# KiCad board control.kicad_pcb (continued)
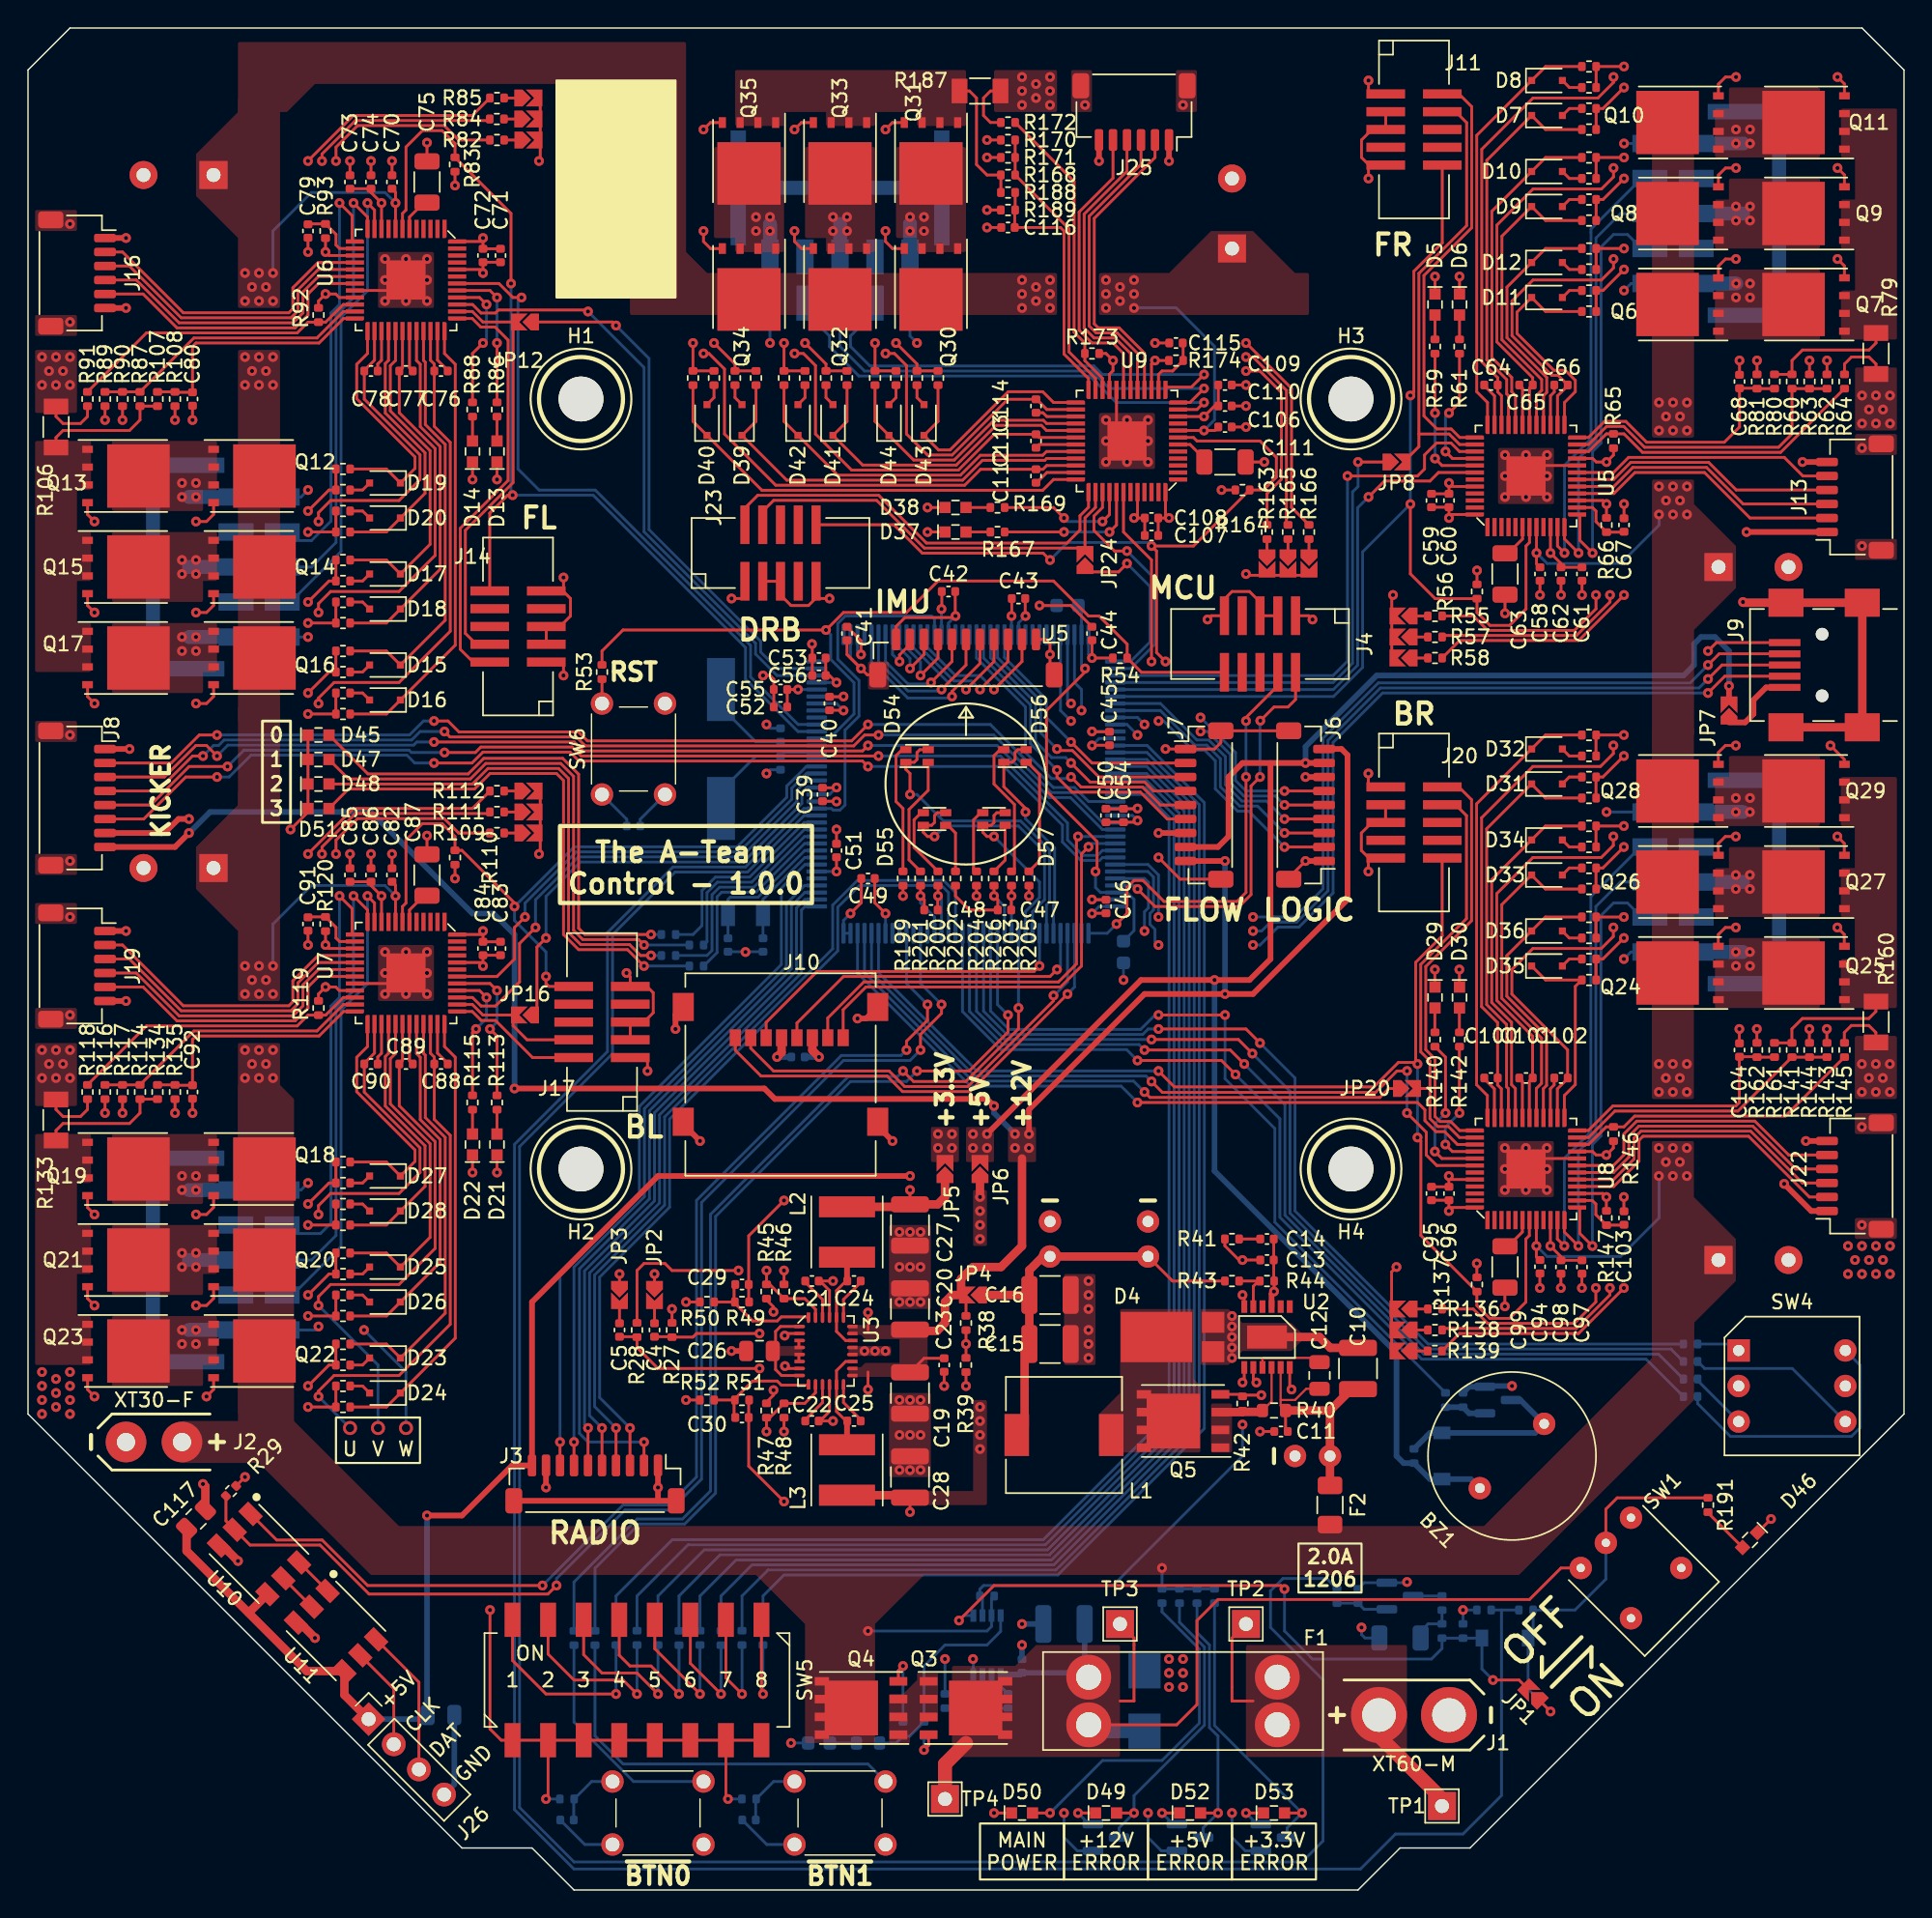
[diagram p0: board, top side]
## Nets (continued)
Net-(D34-Pad1): D34.1 R154.1 U8.32
Net-(D34-Pad2): D34.2 R155.1
Net-(D35-Pad1): D35.1 R157.1 U8.25
Net-(D35-Pad2): D35.2 R156.1
Net-(D36-Pad1): D36.1 R158.1 U8.28
Net-(D36-Pad2): D36.2 R159.1
Net-(D37-Pad2): D37.2 R167.2
Net-(D38-Pad2): D38.2 R169.2
Net-(D39-Pad1): D39.1 R176.1 U9.33
Net-(D39-Pad2): D39.2 R175.1
Net-(D40-Pad1): D40.1 R177.1 U9.36
Net-(D40-Pad2): D40.2 R178.1
Net-(D41-Pad1): D41.1 R180.1 U9.29
Net-(D41-Pad2): D41.2 R179.1
Net-(D42-Pad1): D42.1 R181.1 U9.32
Net-(D42-Pad2): D42.2 R182.1
Net-(D43-Pad1): D43.1 R184.1 U9.25
Net-(D43-Pad2): D43.2 R183.1
Net-(D44-Pad1): D44.1 R185.1 U9.28
Net-(D44-Pad2): D44.2 R186.1
Net-(D45-Pad2): D45.2 R190.2
Net-(D46-Pad2): D46.2 R191.2
Net-(D47-Pad2): D47.2 R193.2
Net-(D48-Pad2): D48.2 R194.2
Net-(D49-Pad2): D49.2 Q36.3 R192.2
Net-(D50-Pad2): D50.2 R195.2
Net-(D51-Pad2): D51.2 R196.2
Net-(D52-Pad2): D52.2 Q37.3 R197.2
Net-(D53-Pad2): D53.2 Q38.3 R198.2
Net-(D54-Pad2): D54.2 R201.1
Net-(D54-Pad4): D54.4 R199.2
Net-(D55-Pad2): D55.2 R202.1
Net-(D55-Pad4): D55.4 R200.2
Net-(D56-Pad2): D56.2 R205.1
Net-(D56-Pad4): D56.4 R203.2
Net-(D57-Pad2): D57.2 R206.1
Net-(D57-Pad4): D57.4 R204.2
Net-(J9-Pad1): J9.1 JP7.1
Net-(JP9-Pad1): JP9.1 R55.1
Net-(JP10-Pad1): JP10.1 R57.1
Net-(JP11-Pad1): JP11.1 R58.1
Net-(JP13-Pad1): JP13.1 R82.1
Net-(JP14-Pad1): JP14.1 R84.1
Net-(JP15-Pad1): JP15.1 R85.1
Net-(JP17-Pad1): JP17.1 R109.1
Net-(JP18-Pad1): JP18.1 R111.1
Net-(JP19-Pad1): JP19.1 R112.1
Net-(JP21-Pad1): JP21.1 R136.1
Net-(JP22-Pad1): JP22.1 R138.1
Net-(JP23-Pad1): JP23.1 R139.1
Net-(JP25-Pad1): JP25.1 R163.1
Net-(JP26-Pad1): JP26.1 R165.1
Net-(JP27-Pad1): JP27.1 R166.1
Net-(Q1-Pad1): Q1.1 R22.2 R24.2
Net-(Q2-Pad1): Q2.1 R25.2 R26.1
Net-(Q2-Pad3): Q2.3 R23.2
Net-(Q3-Pad1): Q3.1 Q3.2 Q3.3 Q4.1 Q4.2 Q4.3
Net-(Q3-Pad4): Q3.4 R34.1
Net-(Q4-Pad4): Q4.4 R35.2
Net-(Q5-Pad4): Q5.4 R42.2 U2.12
Net-(Q6-Pad4): Q6.4 R75.2 R76.2
Net-(Q7-Pad4): Q7.4 R77.2 R78.2
Net-(Q8-Pad4): Q8.4 R71.2 R72.2
Net-(Q9-Pad4): Q9.4 R73.2 R74.2
Net-(Q10-Pad4): Q10.4 R67.2 R68.2
Net-(Q11-Pad4): Q11.4 R69.2 R70.2
Net-(Q12-Pad4): Q12.4 R102.2 R103.2
Net-(Q13-Pad4): Q13.4 R104.2 R105.2
Net-(Q14-Pad4): Q14.4 R98.2 R99.2
Net-(Q15-Pad4): Q15.4 R100.2 R101.2
Net-(Q16-Pad4): Q16.4 R94.2 R95.2
Net-(Q17-Pad4): Q17.4 R96.2 R97.2
Net-(Q18-Pad4): Q18.4 R129.2 R130.2
Net-(Q19-Pad4): Q19.4 R131.2 R132.2
Net-(Q20-Pad4): Q20.4 R125.2 R126.2
Net-(Q21-Pad4): Q21.4 R127.2 R128.2
Net-(Q22-Pad4): Q22.4 R121.2 R122.2
Net-(Q23-Pad4): Q23.4 R123.2 R124.2
Net-(Q24-Pad4): Q24.4 R156.2 R157.2
Net-(Q25-Pad4): Q25.4 R158.2 R159.2
Net-(Q26-Pad4): Q26.4 R152.2 R153.2
Net-(Q27-Pad4): Q27.4 R154.2 R155.2
Net-(Q28-Pad4): Q28.4 R148.2 R149.2
Net-(Q29-Pad4): Q29.4 R150.2 R151.2
Net-(Q30-Pad4): Q30.4 R183.2 R184.2
Net-(Q31-Pad4): Q31.4 R185.2 R186.2
Net-(Q32-Pad4): Q32.4 R179.2 R180.2
Net-(Q33-Pad4): Q33.4 R181.2 R182.2
Net-(Q34-Pad4): Q34.4 R175.2 R176.2
Net-(Q35-Pad4): Q35.4 R177.2 R178.2
Net-(R5-Pad1): R5.1 SW2.2
Net-(R6-Pad1): R6.1 SW3.2
Net-(R9-Pad2): R9.2 SW4.6
Net-(R10-Pad2): R10.2 SW4.3
Net-(R11-Pad2): R11.2 SW4.4
Net-(R12-Pad2): R12.2 SW4.1
Net-(R13-Pad2): R13.2 SW5.16
Net-(R14-Pad2): R14.2 SW5.15
Net-(R15-Pad2): R15.2 SW5.14
Net-(R16-Pad2): R16.2 SW5.13
Net-(R17-Pad2): R17.2 SW5.12
Net-(R18-Pad2): R18.2 SW5.11
Net-(R19-Pad2): R19.2 SW5.10
Net-(R20-Pad2): R20.2 SW5.9
Net-(R30-Pad2): R30.2 R31.1
Net-(R31-Pad2): R31.2 R32.1 U1.2
Net-(R32-Pad2): R32.2 R33.2 U1.3
Net-(R34-Pad2): R34.2 R35.1 R37.1 U1.8
Net-(R43-Pad2): R43.2 R44.1 U2.5
Net-(R53-Pad1): R53.1 SW6.2
Net-(R59-Pad1): R59.1 U5.41
Net-(R60-Pad2): R60.2 R62.2 R63.1 U5.23
Net-(R61-Pad1): R61.1 U5.40
Net-(R64-Pad2): R64.2 R65.1 U5.22
Net-(R86-Pad1): R86.1 U6.41
Net-(R87-Pad2): R87.2 R89.2 R90.1 U6.23
Net-(R88-Pad1): R88.1 U6.40
Net-(R91-Pad2): R91.2 R92.1 U6.22
Net-(R113-Pad1): R113.1 U7.41
Net-(R114-Pad2): R114.2 R116.2 R117.1 U7.23
Net-(R115-Pad1): R115.1 U7.40
Net-(R118-Pad2): R118.2 R119.1 U7.22
Net-(R140-Pad1): R140.1 U8.41
Net-(R141-Pad2): R141.2 R143.2 R144.1 U8.23
Net-(R142-Pad1): R142.1 U8.40
Net-(R145-Pad2): R145.2 R146.1 U8.22
Net-(R167-Pad1): R167.1 U9.41
Net-(R168-Pad2): R168.2 R170.2 R171.1 U9.23
Net-(R169-Pad1): R169.1 U9.40
Net-(R172-Pad2): R172.2 R173.1 U9.22
Net-(U10-Pad5): U10.5 U11.2
Net-(U10-Pad6): U10.6 U11.1

Pads without a net: J4 6 7 8; J11 6 7 8; J12 7 9 MP; J14 6 7 8; J15 7 9 MP; J17 6 7 8; J18 7 9 MP; J20 6 7 8; J21 7 9 MP; J23 6 7 8; J24 7 9 MP; SW2 4; SW3 4; SW6 4; U2 1 2 4; U4 5 22 28 29 36 37 40 53 54 55 63 64 65 66 67 110 132 134 136 137; U5 1 2 3 4 5 9 43 45 46 47; U6 1 2 3 4 5 9 43 45 46 47; U7 1 2 3 4 5 9 43 45 46 47; U8 1 2 3 4 5 9 43 45 46 47; U9 1 2 3 4 5 9 43 45 46 47

## Via types
v1: diameter 0.7, hole 0.3, Top to Bottom, 842 vias
v2: diameter 1, hole 0.6, Top to Bottom, 3 vias

## Routing (per net, layer and track width the routed paths; a pad name or vN(x,y) marks a point on that pad's centre or on a via; arc(x,y) is an arc through that point)
+3.3V: length 303.7
  Top w0.2: R170.1 v1(68.5,125) ; v1(71.25,91) 71.23,91.02 C43.1 ; C61.1 C62.1 109.5,94.75 v1(108.75,95.5) U5.10 ; C107.1 C108.1 81.25,98 ; v1(97.5,92.5) 97.41,92.41 97.41,88 ; C49.1 59.52,70.52 v1(58.75,69.75) ; 81.25,98 U9.48 ; 81.25,98 v1(81.5,98) ; JP23.2 JP22.2 JP21.2 97.4,44.15 v1(97.75,44.5) ; R189.1 v1(68.5,120) ; v1(50,6.5) 49.85,6.65 SW5.7 ; v1(95.74,79.75) 95.74,79 95.95,78.79 96.97,78.79 ; C73.1 C74.1 24.5,121.25 v1(25.25,120.5) U6.10 ; 101.49,48.75 101.49,49.27 100.24,49.27 ; 101.49,48.75 v1(101.49,48.5) ; 101.49,48.75 103.34,48.75 ; v1(95.75,129.25) 95.75,128.5 95.96,128.29 J11.1 ; R205.2 v1(71.5,71) ; v1(33,20) 33,11.5 33.8,10.7 SW5.1 SW5.2 ; C109.1 C110.1 84.75,106 v1(84,105.25) U9.10 ; J23.1 51.21,92.46 51,92.25 v1(50.25,92.25) ; JP15.2 JP14.2 36.59,123.59 v1(36.5,123.5) ; 123.49,60.51 v1(123.49,61.5) ; R54.2 v1(76,88) C44.1 ; C50.1 C54.1 79.13,76.27 v1(79.25,76.39) ; v1(85.25,100) R164.1 ; v1(55,85.75) C55.1 C52.1 ; C85.1 C86.1 24.5,71.75 v1(25.25,71) U7.10 ; 110.99,44.98 109.49,44.98 109.49,45.25 v1(108.74,46) 108.74,47.85 ; R202.2 66.25,71 67.25,70 C47.1 69.27,70.73 v1(69,71) R206.2 ; 101.5,98.25 v1(101.5,98) ; 101.5,98.25 U5.48 ; 101.5,98.25 C60.1 C59.1 ; v1(103.49,44.75) 103.49,43.76 ; R81.1 v1(123.5,109.25) ; J17.1 44.04,59.46 44.25,59.25 v1(44.25,58.5) ; SW5.2 SW5.3 SW5.4 SW5.5 SW5.6 SW5.7 ; SW5.2 37.15,6.65 v1(37,6.5) ; C48.1 64.02,70.73 v1(63.75,71) R201.2 ; v1(87,94) 87.09,93.91 91.5,93.91 ; 32.5,117.75 C72.1 C71.1 ; 32.5,117.75 v1(32.5,118) ; 32.5,117.75 U6.48 ; v1(57.75,78.75) 57.73,78.73 C39.1 ; v1(38.25,86.75) 38.25,87.5 38.04,87.71 J14.1 ; J5.11 62,90.25 62.64,90.89 66.14,90.89 v1(66.25,91) 66.23,91.02 C42.1 ; R116.1 v1(5.5,55.5) ; 32.5,68.25 C84.1 C83.1 ; 32.5,68.25 v1(32.5,68.5) ; 32.5,68.25 U7.48 ; 128.49,60.51 v1(128.49,61.5) ; 36.59,78.5 36.59,74.09 v1(36.5,74) ; R89.1 v1(5.5,105) ; v1(103.5,94.25) R56.1 ; v1(76,81.75) 76.02,81.77 C45.1 ; R135.1 v1(10.5,55.5) ; v1(59.5,88.25) 59.5,89.23 C41.1 ; v1(57.75,86.25) 57.25,86.75 C56.1 C53.1 ; C51.1 v1(57.75,72.75) ; v1(58.25,84.25) 58.23,84.27 C40.1 ; v1(76,69.75) 76.02,69.77 C46.1 ; R108.1 v1(10.5,105) ; v1(91.75,90.75) 91.48,91.02 J4.1 ; SW5.8 SW5.7 ; v1(30.5,72.25) R110.1 ; R62.1 v1(128.5,109.25) ; v1(30.5,121.75) R83.1
  Top w0.4: v1(125.44,50.44) 127.38,48.5 128.49,48.5 ; J6.7 v1(91.25,79.5) ; v1(122.75,97) J13.1 ; J19.1 v1(7,68.5) ; J7.7 v1(80.75,75.5) ; J3.9 v1(37,28.75) ; J8.7 9.75,75.5 10.75,76.5 v1(11.5,76.5) ; J16.1 v1(7,118) ; J25.1 v1(81.5,123.5)
  Top w0.6: v1(53.5,59.5) 53.83,59.83 J10.4
  In2.Cu w0.2: 23,44.5 23,41.5 21.75,40.25 v1(20.75,40.25) ; 128,36 SW4.C ; 128,36 SW4.C ; 128,36 128,45 ; v1(33,20) 33,44.5
  In2.Cu w0.4: v1(37,28.75) 37,44.25
  Bottom w0.2: v1(59.5,88.25) 59.25,88.5 U4.39 ; v1(112.75,77) 116.83,77 ; U4.33 v1(57.75,86.25) ; v1(71.25,91) 70.75,90.5 U4.62 ; v1(66.25,91) 65.75,90.5 U4.52 ; 17.16,40 20.5,40 v1(20.75,40.25) ; v1(20,89.5) 17.16,89.5 ; v1(69,71) 69.75,70.25 U4.121 ; U4.32 v1(55,85.75) ; v1(53,110.5) 53,113.34 ; U4.131 64.75,69.5 63.75,70.5 v1(63.75,71) ; U4.6 v1(57.75,72.75) ; v1(79.25,76.39) 78.89,76.75 U4.95 ; U4.17 57.25,78.25 v1(57.75,78.75) ; v1(76,88) 75.75,88.25 U4.72 ; U4.108 76.5,70.25 v1(76,69.75) ; v1(76,81.75) 76.5,82.25 U4.84 ; U4.143 U4.144 58.25,69.25 v1(58.75,69.75) ; U4.30 57.75,84.75 v1(58.25,84.25) ; R1.2 v1(37,6.5) ; v1(114,124.75) 116.84,124.75 ; R2.2 v1(50,6.5)
  Bottom w0.4: C38.1 v1(53.5,59.5)
  vias: v1(65,54) v1(65,53) v1(66,54) v1(66,53)
+5V: length 237.9
  Top w0.4: J7.8 85,74.5 85.75,75.25 85.75,79.5 86.75,80.5 v1(91.25,80.5) J6.8 ; v1(28.5,26.75) 31,26.75 34.58,30.32 J3.10 36,42 45,51 v1(63,51) ; v1(68.5,54) 79.5,65 87.25,65 88.75,66.5 88.75,80.5 ; JP7.2 v1(121.5,86)
  Top w0.6: J26.1 22.6,13.93 U11.4 19.91,15.64 11.33,24.22 C117.2 ; 15.78,19.81 U10.4
  In2.Cu w0.4: v1(67.5,53) 67.5,52.75 65.75,51 v1(63,51)
  Bottom w0.4: v1(84.75,65) 84.75,51.36 97.75,38.36 97.75,31 98.26,30.49 R21.2 100.14,29.35 D3.1 103.05,29.35 BZ1.1 ; v1(121.5,86) 121.5,88.5 120.5,89.5 119.5,89.5 119,89 119,87.5 118.25,86.75 96.33,86.75 91.25,81.67 v1(91.25,80.5) ; J26.1 28.25,12.2 C118.2 28.5,12.55 v1(28.5,26.75)
  vias: v1(67.5,54) v1(68.5,53)
+12V: length 178.5
  Top w0.2: 52.75,42.15 53.25,41.65 v1(53.25,41.3) ; JP4.2 67,42.15 R38.2 ; v1(53.25,35.7) 53.25,35.35 52.75,34.85 ; C19.1 64,37.98 C23.1 ; v1(60,41.25) 60,40 ; v1(60,35.75) 60,37
  Top w0.4: v1(69,56) 68.5,56.5 53.35,56.5 52.6,57.25 v1(34.75,57.25) ; J8.8 10.5,74.5 v1(11.5,75.5) ; J6.9 93.82,81.5 94.25,81.07 94.25,70.75 87.5,64 v1(85.5,64) 79.75,64 71.5,55.75 v1(71.5,54) ; J7.9 v1(85.5,73.5)
  Top w0.6: 71,52.25 71,46 69.5,44.5 67.5,44.5 66.65,43.65 JP4.2 66,42.5 65.5,42 65.5,40.5 64.94,39.94 63,39.94
  In2.Cu w0.2: v1(60,41.25) 53.3,41.25 v1(53.25,41.3) ; v1(53.25,35.7) 53.3,35.75 v1(60,35.75)
  Bottom w0.4: v1(34.75,57.25) 34.75,68.25 33.25,69.75 31.75,69.75 24.5,77 13,77 v1(11.5,75.5) ; v1(70.5,54) 69,55.5 v1(69,56) ; v1(85.5,73.5) v1(85.5,64)
  vias: v1(70.5,53) v1(71.5,53)
GND: length 402.4
  Top w0.2: v1(84.25,90.75) 84.52,91.02 J4.9 85.46,92.21 86,92.75 87.25,92.75 88,92 J4.5 J4.3 ; J17.3 J17.5 44,62 44.66,62.66 44.66,64.09 44.21,64.54 J17.9 43.02,65.23 v1(42.75,65.5) ; J7.MP 82.3,72.2 v1(80.75,73.75) ; C56.2 C53.2 56.02,88.98 v1(56,89) ; U6.20 26.25,114.25 ; v1(70.25,91) 70.27,91.02 C43.2 ; C92.2 v1(11.75,55.5) ; C70.2 v1(26,123.5) ; 127.24,60.51 v1(127.24,61.5) ; 32.5,66.25 C84.2 C83.2 ; 32.5,66.25 U7.44 ; 32.5,66.25 v1(32.5,66) ; C58.2 v1(108,92.5) ; U5.20 107.75,101.75 ; C62.2 v1(109.5,92.5) ; C107.2 C108.2 79.25,98 ; R118.1 4.25,55.75 3.75,55.25 2.5,55.25 2,55.75 R133.2 ; 96.97,77.52 96.97,76.25 95.99,76.25 95.24,75.5 95.24,74.25 95.78,73.71 96.97,73.71 95.95,73.71 95.74,73.5 v1(95.74,72.75) ; D22.1 v1(31.75,51.25) ; 107.99,44.02 v1(107.99,43) ; C47.2 70.23,70.98 v1(70.25,71) R203.1 ; C111.2 v1(88.31,102) ; v1(65.25,91.5) 65.27,91.52 C42.2 ; D14.1 v1(31.75,100.75) ; J6.MP 90.05,72.3 v1(91.25,73.5) ; C87.2 v1(28.5,75.31) ; 79.25,98 v1(79,98) ; 79.25,98 U9.44 ; C39.2 57.73,77.77 v1(57.75,77.75) ; R64.1 129.75,109 130.25,109.5 131.5,109.5 132,109 R79.2 ; v1(18.75,75.75) 20,77 D51.1 D48.1 D47.1 D45.1 ; v1(57.5,33.5) 56.57,33.5 57.25,34.18 U3.12 ; C14.2 C13.2 88.98,43.53 R44.2 89.01,42.76 ; 100.24,50.23 101.49,50.23 101.49,50.75 ; C63.2 v1(105.5,91.19) ; v1(87,5.5) D53.1 ; R63.2 v1(127.25,109.25) ; D21.1 v1(33.5,51.25) ; R172.1 68.75,126.25 68.25,126.75 68.25,128 68.75,128.5 R187.2 ; 32.5,115.75 C72.2 C71.2 ; 32.5,115.75 U6.44 ; 32.5,115.75 v1(32.5,115.5) ; 110.64,52.25 107.74,52.25 ; 100.49,64.5 v1(100.49,65.75) ; C91.2 v1(20,67.5) ; C86.2 v1(24.5,74) ; C61.2 v1(111,92.5) ; 47.9,35 v1(47,35) ; v1(120,88.5) 120.6,89.1 J9.5 ; v1(59.5,87.25) 59.95,86.8 J5.MP ; v1(59.5,87.25) 58.5,88.25 C41.2 ; v1(59.5,87.25) 58.52,88.23 ; R117.2 v1(6.75,55.5) ; C59.2 C60.2 101.5,100.25 ; C74.2 v1(24.5,123.5) ; R90.2 v1(6.75,105) ; R106.2 2,105.25 2.5,104.75 3.75,104.75 4.25,105.25 R91.1 ; C73.2 v1(23,123.5) ; 122.24,60.48 v1(122.24,61.5) ; v1(72.25,91.75) 74.48,91.75 C44.2 ; C82.2 v1(26,74) ; C46.2 76.02,70.73 v1(76,70.75) ; D37.1 v1(64.25,97) ; C110.2 v1(87,106) ; v1(58.25,85.25) 58.23,85.23 C40.2 ; 47.9,42 v1(47,42) ; v1(95.75,122.25) 95.75,123 95.96,123.21 J11.9 95.79,123.21 95.25,123.75 95.25,125 96,125.75 J11.5 J11.3 ; J5.MP 73,87.1 v1(73,88.25) 73,89 72.67,89.33 J5.1 ; C80.2 v1(11.75,105) ; C45.2 76.02,82.73 v1(76,82.75) ; U9.20 77.75,104.25 ; C23.2 v1(65.44,36) ; 101.49,50.75 v1(101.49,51) ; 101.49,50.75 103.34,50.75 ; R204.1 v1(67.75,71) ; J23.3 J23.5 53.75,92.5 54.5,91.75 55.75,91.75 56.29,92.29 J23.9 56.29,92.46 56.5,92.25 v1(57.25,92.25) ; C79.2 v1(20,117) ; 129.74,60.51 129.74,61.25 130.24,61.75 131.49,61.75 131.99,61.25 131.99,60.54 ; 101.5,100.25 U5.44 ; 101.5,100.25 v1(101.5,100.5) ; 54,43.35 v1(54,44.25) ; 109.49,44.02 v1(109.49,43) ; v1(57.5,43.5) 56.57,43.5 57.25,42.82 U3.25 ; JP2.1 v1(44.75,44) ; v1(61.25,69.75) 60.48,70.52 C49.2 ; C85.2 v1(23,74) ; 110.99,44.02 v1(110.99,43) ; D46.1 v1(124.5,26.5) ; C75.2 v1(28.5,124.81) ; 105.49,43.03 v1(105.49,41.69) ; C67.2 v1(114,99) ; C115.2 v1(80.5,110.5) ; R39.1 v1(67,36) ; 102.24,64.5 v1(102.24,65.75) ; D5.1 v1(100.5,115.25) ; 113.99,48.48 v1(113.99,49.5) ; C106.2 v1(87,104.5) ; R171.2 v1(68.5,123.75) ; C52.2 C55.2 53.27,86.48 53,86.75 v1(52.5,86.75) ; v1(38.25,93.75) 38.25,93 38.04,92.79 J14.9 38.21,92.79 38.75,92.25 38.75,91 38,90.25 J14.5 J14.3 ; v1(81.25,81.5) J7.1 84.75,81.5 85.2,81.95 J7.MP J6.MP ; R200.1 v1(65,71) 64.98,70.98 C48.2 ; R29.1 v1(15.5,29.5) ; U7.20 26.25,64.75 ; D38.1 v1(64.25,98.75) ; D6.1 v1(102.25,115.25) ; 54,33.65 v1(54,32.75) ; 88.93,32.75 v1(88,32.75) ; C68.2 v1(122.25,109.25) ; R199.1 v1(62.5,71) ; C51.2 v1(57.75,75.75) ; C109.2 v1(87,107.5) ; v1(42.25,44) JP3.1 ; v1(81,5.5) D52.1 ; v1(69,5.5) D50.1 ; D13.1 v1(33.5,100.75) ; C50.2 C54.2 79.23,77.23 v1(79.25,77.25) ; D49.1 v1(75,5.5) ; C116.2 v1(68.5,118.75)
  Top w0.4: 45,27.8 v1(45,28.75) J3.1 ; J10.9 59.87,62.25 v1(59.25,62.25) ; 51.39,38.5 v1(50.25,38.5) ; v1(48,53.5) 46.81,54.69 J10.9 ; J19.6 v1(7,63.5) ; v1(46.25,61.5) 46.25,62.52 J10.9 ; J16.6 v1(7,113) ; U2.3 88.83,42.57 v1(89,42.75) ; J8.1 v1(7.25,81.5) ; v1(126.75,102) J13.6 ; J6.1 v1(91.25,73.5) ; J10.9 60.69,54.56 v1(61.75,53.5) ; 128.49,53.5 v1(126.99,53.5) ; J25.6 v1(76.5,123.5) ; J3.MP J3.MP
  Top w0.6: U10.3 13.9,24.6 v1(15,23.5) ; v1(20.5,18) 19.4,19.1 U11.3 ; v1(122.5,92) 122.55,91.95 J9.6 J9.6 J9.6 J9.6 ; v1(12.5,29) 12.67,28.83 C117.1 ; U2.13 92.25,39.5 93.03,38.72 C10.2 ; J10.6 56.03,59.97 v1(56.5,59.5)
  Bottom w0.2: R7.2 v1(102.5,20) R4.1 ; v1(114,114.25) 114.5,114.75 116.84,114.75 ; 116.83,67 114.49,67 v1(113.99,66.5) ; U4.38 58.75,88 v1(59.5,87.25) ; SW2.3 39.77,3.25 C1.2 ; R26.2 95.44,21.95 Q2.2 98.45,21.95 v1(98.5,22) ; v1(87,5.5) 87.8,4.7 Q38.2 ; v1(20,100) 19.5,99.5 17.16,99.5 ; C36.2 51.27,67.02 v1(51.25,67) 51.23,67.02 C37.2 ; v1(81,5.5) 81.8,4.7 Q37.2 ; U4.107 v1(76,70.75) ; U4.83 v1(76,82.75) ; v1(54.5,10.5) C8.2 ; Q36.2 75.8,4.7 v1(75,5.5) ; C31.2 43.73,76.48 SW6.3 ; v1(79.25,77.25) U4.94 ; U4.120 v1(70.25,71) ; U4.16 v1(57.75,77.75) ; U1.4 67.53,16.47 v1(67.5,16.5) ; C3.2 95.5,18 95.25,18.25 v1(95.25,18.75) ; U4.31 v1(58.25,85.25) ; R33.1 v1(65.5,16.5) ; C34.2 53.02,82.98 v1(52.75,83.25) ; C32.2 v1(72.25,91.75) ; v1(65.25,91.5) U4.51 ; C2.2 52.77,3.25 SW3.3 ; v1(70.25,91) U4.61 ; U4.130 65.25,70.75 v1(65,71) ; v1(52.75,79.75) 53.02,80.02 C35.2 ; v1(63.5,110.5) 63,111 63,113.34 ; C33.2 v1(78.25,65) ; 17.16,50 19.5,50 v1(20,50.5) ; U4.138 v1(61.25,69.75)
  Bottom w0.4: C38.2 v1(56.5,59.5) ; C6.2 v1(71,19) ; C7.2 v1(71,17.5) ; C118.1 30.45,7.55 J26.4 ; v1(106,36) 104.11,36 Q1.2 102.94,35.95 R24.1
  vias: v1(1,109.5) v1(1,107.5) v1(1,60) v1(1,58) v1(1,37) v1(1,36) v1(1,35) v1(1,34) v1(1.5,108.5) v1(1.5,59) v1(2,109.5) v1(2,107.5) v1(2,60) v1(2,58) v1(2,36.5) v1(2,35.5) v1(2,34.5) v1(2.5,108.5) v1(2.5,59) v1(3,119) v1(3,112) v1(3,109.5) v1(3,107.5) v1(3,82.5) v1(3,73.5) v1(3,69.5) v1(3,62.5) v1(3,60) v1(3,58) v1(3,37) v1(3,36) v1(3,35) v1(3,34) v1(25.5,116.5) v1(25.5,115) v1(25.5,113.5) v1(25.5,67) v1(25.5,65.5) v1(25.5,64) v1(27,116.5) v1(27,113.5) v1(27,67) v1(27,64) v1(28.5,116.5) v1(28.5,115) v1(28.5,113.5) v1(28.5,67) v1(28.5,65.5) v1(28.5,64) v1(59.75,38.5) v1(60.5,38.5) v1(61.25,38.5) v1(62.25,47) v1(62.25,44.5) v1(62.25,42) v1(62.25,35) v1(62.25,32.5) v1(62.25,30) v1(63,47) v1(63,44.5) v1(63,42) v1(63,35) v1(63,32.5) v1(63,29.99) v1(63.75,47) v1(63.75,44.5) v1(63.75,42) v1(63.75,35) v1(63.75,32.5) v1(63.75,30) v1(71,129.5) v1(71,128.5) v1(71,127.5) v1(72,129) v1(72,128) v1(73,129.5) v1(73,128.5) v1(73,127.5) v1(75.5,127.5) v1(75.75,43.5) v1(75.75,42.5) v1(75.75,41.5) v1(75.75,40) v1(75.75,39) v1(75.75,38) v1(77,105) v1(77,103.5) v1(77,102) v1(78.5,105) v1(78.5,102) v1(80,105) v1(80,103.5) v1(80,102) v1(81.5,16.5) v1(81.5,15.5) v1(81.5,14.5) v1(82.5,127.5) v1(82.5,16.5) v1(82.5,15.5) v1(82.5,14.5) v1(86,41) v1(86,40.25) v1(86,39.5) v1(86,38.75) v1(86,38) v1(105.5,102.5) v1(105.5,101) v1(105.5,99.5) v1(105.49,53) v1(105.49,51.5) v1(105.49,50) v1(107,102.5) v1(107,99.5) v1(106.99,53) v1(106.99,50) v1(108.5,102.5) v1(108.5,101) v1(108.5,99.5) v1(108.49,53) v1(108.49,51.5) v1(108.49,50) v1(130,46) v1(130,44) v1(130.5,45) v1(131,106.75) v1(131,104.75) v1(131,103) v1(131,96) v1(130.99,59) v1(130.99,57) v1(130.99,54.5) v1(130.99,47.5) v1(131,46) v1(131,44) v1(131.5,105.75) v1(131.49,58) v1(131.5,45) v1(132,106.75) v1(132,104.75) v1(131.99,59) v1(131.99,57) v1(132,46) v1(132,44) v1(132.5,105.75) v1(132.49,58) v1(132.5,45) v1(133,106.75) v1(133,104.75) v1(132.99,59) v1(132.99,57) v1(133,46) v1(133,44)
+V_{BATT(FUSED)}: length 70.1
  Top w0.2: 78,13.5 79,13.5 79,18 TP3.1 ; F1.2 82.05,11.8 83.5,13.25 83.5,19.25 85,20.75 107.25,20.75 109.5,23 SW1.4
  Top w1: TP4.1 65.5,9 67,10.5
  Bottom w0.2: R30.1 69.47,14.53 U1.1
  Bottom w0.4: 75.44,15.52 C7.1 70.87,15.39 U1.1 ; C6.1 75.47,15.49
  Bottom w1: D2.2 76.22,11.35 F1.2
+V_{BATT(PROTECTED)}: length 94.1
  Top w0.2: 107.75,97.15 v1(107.75,95.5) 107.75,94.73 C58.1 ; 107.74,47.65 v1(107.74,46) 107.74,45.23 107.99,44.98 ; C106.1 84.77,104.25 v1(84,104.25) 82.35,104.25 ; 26.25,118.85 v1(26.25,120.5) 26.25,121.27 C70.1 ; C82.1 26.25,71.77 v1(26.25,71) 26.25,69.35
  Bottom w0.2: v1(17.5,115.5) 17.5,118.5 20.25,121.25 25.5,121.25 v1(26.25,120.5) ; v1(116.5,98.25) 116.5,97.49 113.76,94.75 108.51,94.75 107.76,95.5 ; 84,104.26 84.75,105.01 84.75,110.26 82,113.01 79,113.01 ; v1(81,23) R195.1 R192.1 R197.1 R198.1 ; R36.1 68.83,20.81 U1.7 68.83,18.82 68.5,18.5 v1(60,18.5) ; v1(26.25,71) 25.5,71.75 20.25,71.75 17.5,69 v1(17.5,66) ; 107.75,46 108.5,45.25 113.75,45.25 116.5,48 116.5,51
  vias: v1(15.5,115.5) v1(15.5,113.5) v1(15.5,109.5) v1(15.5,107.5) v1(15.5,66) v1(15.5,64) v1(15.5,60) v1(15.5,58) v1(16,114.5) v1(16,108.5) v1(16,65) v1(16,59) v1(16.5,115.5) v1(16.5,113.5) v1(16.5,109.5) v1(16.5,107.5) v1(16.5,66) v1(16.5,64) v1(16.5,60) v1(16.5,58) v1(17,114.5) v1(17,108.5) v1(17,65) v1(17,59) v1(17.5,113.5) v1(17.5,109.5) v1(17.5,107.5) v1(17.5,64) v1(17.5,60) v1(17.5,58) v1(71,115) v1(71,114) v1(71,113) v1(72,114.5) v1(72,113.5) v1(73,115) v1(73,114) v1(73,113) v1(77,115) v1(77,114) v1(77,113) v1(78,114.5) v1(78,113.5) v1(79,115) v1(79,114) v1(79,113) v1(116.5,106.25) v1(116.5,104.25) v1(116.5,100.25) v1(116.49,59) v1(116.49,57) v1(116.49,53) v1(116.49,51) v1(117,105.25) v1(117,99.25) v1(116.99,58) v1(116.99,52) v1(117.5,106.25) v1(117.5,104.25) v1(117.5,100.25) v1(117.5,98.25) v1(117.49,59) v1(117.49,57) v1(117.49,53) v1(117.49,51) v1(118,105.25) v1(118,99.25) v1(117.99,58) v1(117.99,52) v1(118.5,106.25) v1(118.5,104.25) v1(118.5,100.25) v1(118.5,98.25) v1(118.49,59) v1(118.49,57) v1(118.49,53) v1(118.49,51)
+V_{BATT(RAW)}: length 15.8
  Top w0.2: TP2.1 86,18 86,13.5 87.5,13.5
  Top w1: J1.2 96.5,11 101,6.5 TP1.1
/BUZZER: length 56.8
  Top w0.2: v1(80.75,62.5) v1(85.5,62.5)
  Bottom w0.2: R22.1 89.06,47.7 89.06,54.39 85.5,57.95 v1(85.5,62.5) ; v1(80.75,62.5) 80.5,62.5 79.47,61.47 70.07,61.47 68.75,62.79 U4.123
/CMD_PWR_SHDN: length 167.7
  Bottom w0.2: U4.14 55.44,76.75 51.4,72.71 46.22,72.71 41.75,68.24 41.75,59.74 35.11,53.1 35.11,5.89 39,2 91,2 92.5,3.5 92.5,15 88.75,18.75 88.75,21.36 89.64,22.25 92.76,22.25 R25.1
/DIP0: length 91.7
  Bottom w0.2: U4.85 79.94,81.75 84.02,77.67 84.02,32.96 73.56,22.5 54,22.5 52.5,21 R20.1
/DIP1: length 92.1
  Bottom w0.2: R19.1 51,21 52.86,22.86 73.41,22.86 83.66,33.11 83.66,77.52 79.93,81.25 U4.86
/DIP2: length 92.5
  Bottom w0.2: U4.87 79.92,80.75 83.3,77.37 83.3,33.25 73.27,23.22 51.72,23.22 49.5,21 R18.1
/DIP3: length 92.9
  Bottom w0.2: U4.88 79.91,80.25 82.94,77.22 82.94,33.4 73.12,23.58 50.58,23.58 48,21 R17.1
/DIP4: length 93.3
  Bottom w0.2: U4.89 79.9,79.75 82.58,77.07 82.58,33.55 72.97,23.94 49.44,23.94 46.5,21 R16.1
/DIP5: length 93.7
  Bottom w0.2: R15.1 45,21 48.3,24.3 72.82,24.3 82.22,33.7 82.22,76.92 79.89,79.25 U4.90
/DIP6: length 94.1
  Bottom w0.2: U4.91 79.88,78.75 81.86,76.77 81.86,33.85 72.67,24.66 47.16,24.66 43.5,21 R14.1
/DIP7: length 94.5
  Bottom w0.2: R13.1 42,21 46.02,25.02 72.52,25.02 81.5,34 81.5,76.62 79.88,78.25 U4.92
/DOTSTAR.CLK: length 91.1
  Top w0.2: v1(37.75,21.75) 37.14,21.14 24.36,21.14 20.86,24.64 15.86,24.64 U10.2 14.14,26.36 R29.2 ; v1(63.75,60) 63.75,61.12 65.25,62.62 v1(65.25,63.25)
  Bottom w0.2: v1(65.25,63.25) 63.75,64.75 U4.133 ; v1(37.75,21.75) 37.75,22.24 42.65,27.14 45.9,27.14 48.11,29.35 48.11,49.11 58.25,59.25 63,59.25 v1(63.75,60)
/DOTSTAR.DAT: length 86
  Top w0.2: U10.1 17.76,25 21.01,25 24.26,21.75 v1(36.75,21.75) ; v1(64.25,63.25) 64.25,62.12 62.75,60.62 v1(62.75,60)
  Bottom w0.2: U4.135 62.75,64.75 v1(64.25,63.25) ; v1(36.75,21.75) 42.5,27.5 45.75,27.5 47.75,29.5 47.75,49.26 58.1,59.61 62.36,59.61 v1(62.75,60)
/ID_{SW}.IDX0: length 71.3
  Top w0.2: v1(80.75,61.5) 87,61.5 v1(88,60.5)
  Bottom w0.2: v1(88,60.5) 90.5,58 90.5,48.5 100,39 R12.1 ; U4.124 68.25,62.78 69.92,61.11 79.62,61.11 80.01,61.5 v1(80.75,61.5)
/ID_{SW}.IDX1: length 71.5
  Top w0.2: v1(80.25,60.75) 86.45,60.75 v1(87.45,59.75)
  Bottom w0.2: v1(80.25,60.75) 69.77,60.75 67.75,62.77 U4.125 ; R11.1 118.24,37.76 117.36,38.64 99.85,38.64 90.14,48.35 90.14,57.06 v1(87.45,59.75)
/ID_{SW}.IDX2: length 72.1
  Top w0.2: v1(79.75,60) 85.88,60 v1(86.88,59)
  Bottom w0.2: U4.126 67.25,62.76 69.62,60.39 79.36,60.39 v1(79.75,60) ; v1(86.88,59) 89.78,56.09 89.78,48.2 99.7,38.28 116.46,38.28 R10.1
/ID_{SW}.IDX3: length 72.6
  Top w0.2: v1(79.25,59.25) 85.25,59.25 v1(86.25,58.25)
  Bottom w0.2: v1(86.25,58.25) 89.42,55.08 89.42,48.05 99.55,37.92 115.57,37.92 R9.1 ; v1(79.25,59.25) 78.47,60.03 69.47,60.03 66.75,62.75 U4.127
/Indicators/DOTSTAR_{EXT}.CLK: length 7.4
  Top w0.2: U11.5 26.13,14.37 J26.2
/Indicators/DOTSTAR_{EXT}.DAT: length 10.6
  Top w0.2: J26.3 27.92,14.84 U11.6
/LED0: length 14.9
  Bottom w0.2: R190.1 47.5,68.25 48.14,68.89 48.14,71.39 49.1,72.35 51.55,72.35 55.45,76.25 U4.13
/LED1: length 13.5
  Bottom w0.2: U4.12 55.45,75.75 51.69,71.99 49.25,71.99 48.5,71.24 48.5,67.74 R193.1
/LED2: length 15.9
  Bottom w0.2: R194.1 48.5,66.75 48.86,67.11 48.86,71.09 49.4,71.63 51.84,71.63 55.46,75.25 U4.11
/LED3: length 14
  Bottom w0.2: R196.1 49.22,66.96 49.22,70.94 49.55,71.27 51.99,71.27 55.47,74.75 U4.10
/Load Switch/EN: length 50.3
  Top w0.2: v1(104.64,15) 106.5,15 JP1.2 ; v1(89.75,21.5) 89.5,21.75 69,21.75 v1(66.5,19.25)
  Bottom w0.2: v1(66.5,19.25) 66.86,19.61 U1.5 ; v1(89.75,21.5) 89.75,18.5 91.75,16.5 100.25,16.5 101,17.25 R8.2 R7.1 103.84,17.99 D1.1 103.85,15.79 v1(104.64,15)
/MCU/FLOW.BOOT0: length 21.1
  Top w0.2: v1(74.5,80.5) 75.86,79.14 79.75,79.14 80.39,78.5 J7.4
  Bottom w0.2: v1(74.5,80.5) 74.11,80.89 73.11,80.89 71.97,82.03 71.97,84.8 68.75,88.02 U4.58
/MCU/FLOW.RX: length 22.9
  Top w0.2: J7.5 80.88,77.5 79.6,78.78 75.22,78.78 v1(74.5,79.5)
  Bottom w0.2: U4.56 67.75,88 71.25,84.5 71.25,81.25 73.11,79.39 74.39,79.39 v1(74.5,79.5)
/MCU/FLOW.TX: length 22.8
  Top w0.2: J7.6 81.38,76.5 79.45,78.42 74.58,78.42 73.5,79.5 v1(73.5,80)
  Bottom w0.2: v1(73.5,80) 72.97,80.53 72.96,80.53 71.61,81.88 71.61,84.65 68.25,88.01 U4.57
/MCU/FLOW.~{DET}: length 18.4
  Top w0.2: v1(74.5,82) 76,80.5 J7.2
  Bottom w0.2: U4.60 69.75,88.04 72.75,85.04 72.75,83.75 v1(74.5,82)
/MCU/FLOW.~{RST}: length 19.9
  Top w0.2: v1(73.5,81.5) 73.61,81.39 74.6,81.39 76.49,79.5 J7.3
  Bottom w0.2: U4.59 69.25,88.03 72.33,84.95 72.33,82.67 v1(73.5,81.5)
/MCU/IMU.INT1: length 10.3
  Top w0.2: v1(67,85.75) 69,87.75 J5.4
  Bottom w0.2: U4.47 63.25,88.73 65.98,86 66.75,86 v1(67,85.75)
/MCU/IMU.INT2: length 10.8
  Top w0.2: v1(68,85.75) 70,87.75 J5.3
  Bottom w0.2: U4.48 63.75,88.74 66.13,86.36 67.39,86.36 v1(68,85.75)
/MCU/IMU.MISO: length 11.6
  Top w0.2: v1(65.25,85.75) 67,87.5 J5.6
  Bottom w0.2: v1(65.25,85.75) 65.14,85.64 62.85,85.64 60.75,87.74 U4.42
/MCU/IMU.MOSI: length 9.6
  Top w0.2: v1(64.5,86.25) 66,87.75 J5.7
  Bottom w0.2: v1(64.5,86.25) 64.39,86.14 62.86,86.14 61.25,87.75 U4.43
/MCU/IMU.SCK: length 13.7
  Top w0.2: v1(66,85.25) 66,85.61 68,87.61 J5.5
  Bottom w0.2: v1(66,85.25) 65.89,85.14 62.84,85.14 60.25,87.73 U4.41
/MCU/IMU.~{DET}: length 11.3
  Top w0.2: J5.2 71,87.75 v1(69,85.75)
  Bottom w0.2: U4.49 64.25,88.75 66.25,86.75 68,86.75 v1(69,85.75)